# KiCad board Ashwing66_fullrgb.kicad_pcb (continued)
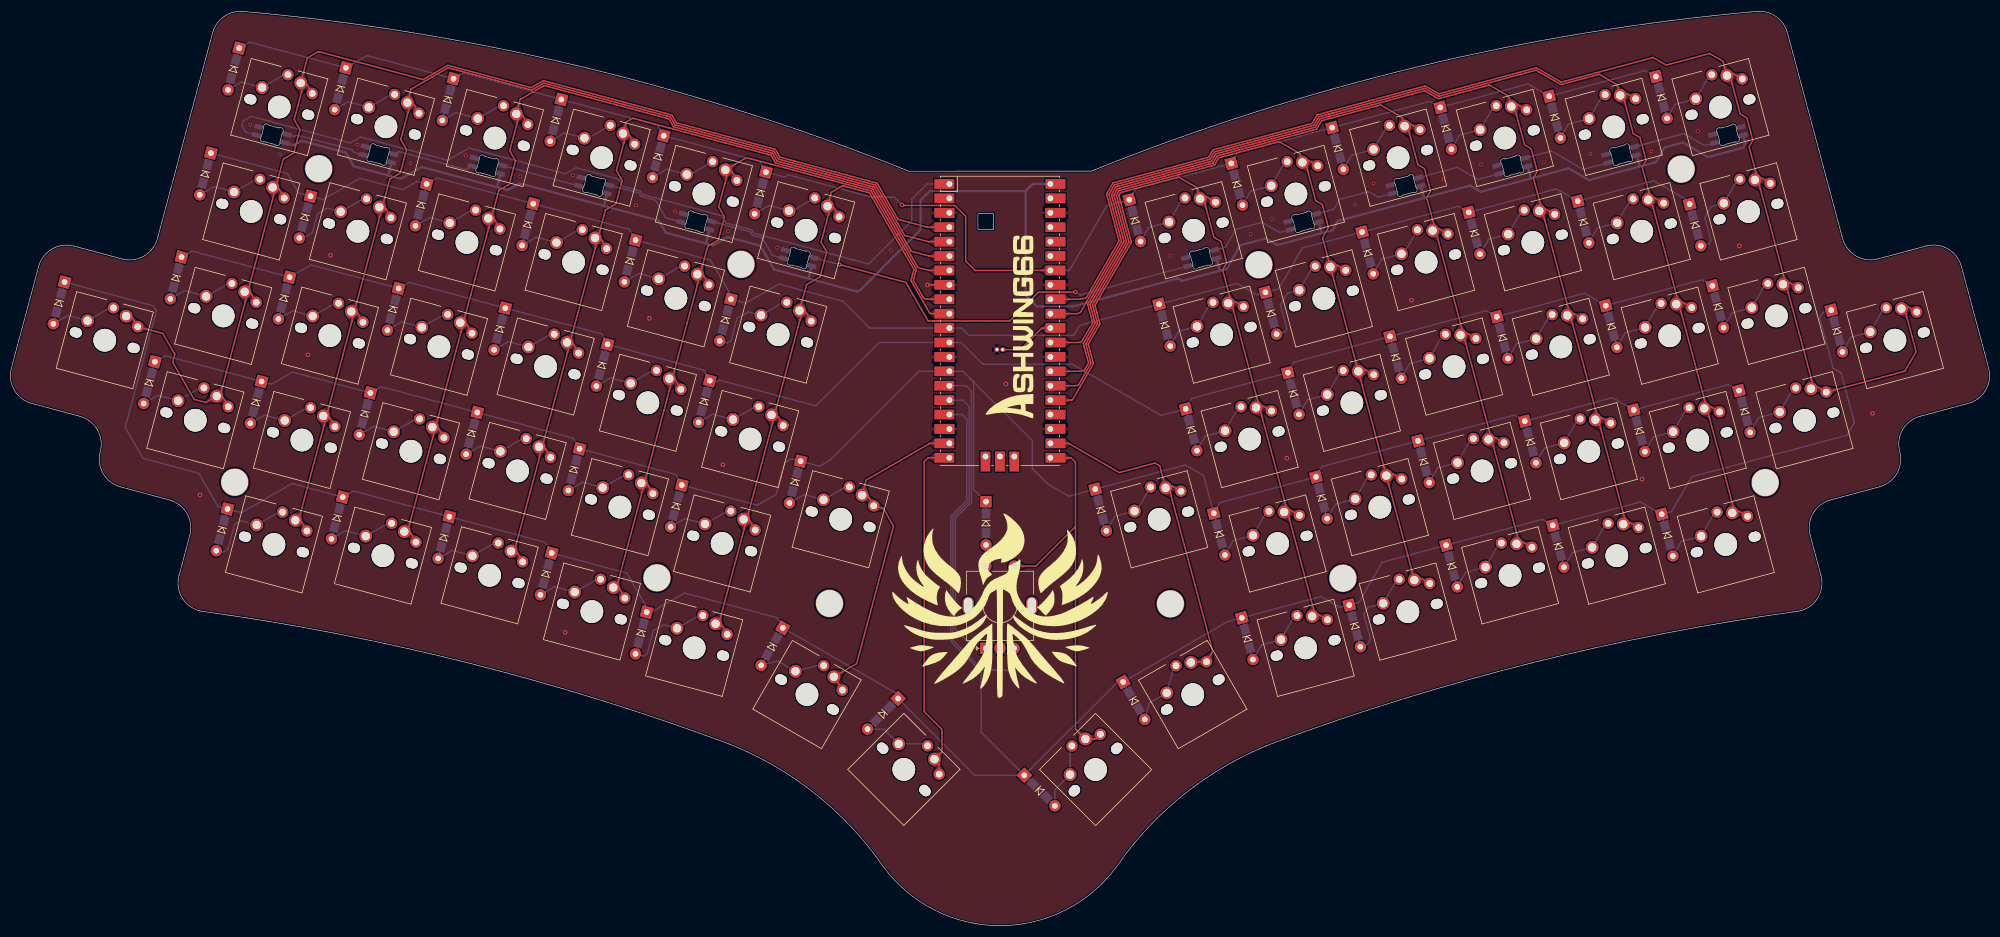
[diagram p0: board, top side]
## Routing (per net, layer and track width the routed paths; a pad name or vN(x,y) marks a point on that pad's centre or on a via; arc(x,y) is an arc through that point)
GND: length 6.1
  Top w0.15: pico.8 165.39,112.95
  Top w0.25: v2(161.52,112.94) 161.53,112.95 pico.8
  Bottom w0.25: v2(174.3,46.63) RotEnc.C
  vias: v1(42.26,141.2) v1(47.47,135.95) v1(61.1,137.69) v1(70.48,134.38) v1(80.24,135.73) v1(89.78,132.09) v1(99.08,132.25) v1(110.2,126.97) v1(117.09,125.88) v1(126.42,122.41) v1(135.05,119.48) v1(155.11,119.06) v1(204.29,118.06) v1(218.44,121.9) v1(222.21,124.59) v1(236.77,127.13) v1(240.12,130.85) v1(252.4,131.52) v1(259.03,134.17) v1(270.11,134.61) v1(278.29,136.05) v1(289.04,136.47) v1(297.23,140.05) v2(33.39,75.92) v2(52.4,100.62) v2(56.4,118.17) v2(97.72,51.72) v2(112.55,107.04) v2(125.5,81.24) v2(175.35,95.49) v2(224.85,82.39) v2(246.8,110.24) v2(287.4,78.72) v2(304.52,119.82) v2(327.97,90.29)
VBUS: length 347.7
  Top w0.25: 183.16,130.72 pico.40
  Bottom w0.25: 179.11,115.5 179.11,115.5 179.11,115.3 ; 187.19,109.14 187.18,109.13 ; 168.29,129.46 162.28,129.46 ; 186.37,109.14 186.37,109.14 181.66,109.14 181.65,109.13 ; 181.38,109.13 181.92,109.13 ; 152.76,115.11 152.76,115.1
  Bottom w0.4: 180.07,130.73 178.81,129.46 ; 180.07,130.73 179.11,129.77 ; 180.07,130.73 pico.40 ; 178.81,129.46 166.62,129.46 ; 178.81,129.46 178.81,111.13 180.8,109.13 181.92,109.13 ; 286.94,133.8 278.03,131.41 274.44,133.49 267.86,131.73 ; 286.94,133.8 289.85,134.58 291.35,137.17 294.58,138.03 299.02,135.47 305.17,137.12 305.6,137.87 305.21,139.32 ; 286.94,133.8 286.96,133.83 286.42,135.83 ; 66.78,132.98 66.75,133.02 67.15,134.51 66.54,132.25 66.52,132.24 ; 152.76,115.11 160.32,122.67 160.32,127.84 161.94,129.46 162.28,129.46 ; 186.37,109.14 187.19,109.14 205.62,114.08 206.36,113.65 213.05,115.45 ; 48.36,137.99 49.92,137.57 51.26,138.35 58.56,136.39 ; 267.86,131.73 258.98,129.35 258.29,129.75 ; 267.86,131.73 267.8,131.76 267.24,133.87 ; 123.15,122.67 122.5,120.26 122.51,120.24 ; 140.64,114.03 134.52,115.67 132.11,119.84 126.34,121.38 123.78,119.91 122.51,120.24 ; 140.64,114.03 140.58,114.13 141.16,116.27 ; 140.64,114.03 149.12,111.76 149.82,112.16 151.44,113.78 151.69,114.03 ; 152.76,115.1 151.69,114.03 ; 151.69,114.03 151.29,113.63 ; 212.43,117.6 213,115.48 213.05,115.45 ; 230.44,124.01 230.83,122.55 230.83,122.55 230.89,122.32 230.7,121.99 ; 58.56,136.39 59.09,136.25 60.47,133.86 66.52,132.24 ; 58.56,136.39 58.87,136.31 ; 213.05,115.45 214.21,115.76 216.61,119.93 221.14,121.14 223.16,119.97 230.7,121.99 ; 248.98,128.28 249,128.3 248.44,130.4 248.83,128.95 ; 248.98,128.28 233.83,124.21 232.88,122.57 230.7,121.99 ; 248.98,128.28 257.08,130.44 258.29,129.75 ; 86.34,132.52 86.03,131.38 ; 86.03,131.38 85.93,131.01 ; 86.03,131.38 85.72,130.21 85.75,130.16 ; 66.52,132.24 68.79,131.63 72.42,133.73 85.75,130.16 ; 122.51,120.24 115.44,122.14 114.21,124.27 104.56,126.86 ; 104.56,126.86 104.55,126.88 105.13,129.06 104.76,127.66 104.77,127.64 ; 104.56,126.86 89.7,130.84 87.65,129.65 85.75,130.16 ; 257.17,130.39 258.29,129.75 ; 230,123.89 230.04,123.76
Col_0: length 224.5
  Top w0.25: 150.73,131.38 135.56,135.45 134.77,136.83 117.32,141.5 116.52,142.88 93.88,148.95 91.74,147.71 77.05,151.65 72.7,149.14 54.39,154.04 54.35,154.02 54.21,154.06 52.32,152.97 51.13,148.54 ; 150.73,131.38 152.66,130.87 154.01,128.54 156.34,124.5 161.52,123.11 pico.4 ; 150.73,131.38 150.83,131.36 ; 53.17,146.66 52.27,148.23 51.13,148.54 ; K48.1 37.48,93.03 K48.1 ; K48.1 34.4,92.22 32.37,92.76 28.59,99.31 28.96,100.71 26.84,104.39 K60#2.1 21.53,107.13 K60#2.1 ; K48.1 37.02,93.73 41.65,111.04 K32.1 ; K16.1 47.33,129.82 K16.1 ; K16.1 46.56,129.49 44.01,119.94 41.9,112.09 K32.1 ; K16.1 46.83,130.49 48.07,135.12 49.9,136.18 51.01,140.31 49.99,142.08 51.53,147.84 51.13,148.54 ; K32.1 42.4,111.42 K32.1
Col_1: length 197.9
  Top w0.25: K17.1 66.12,126.34 K17.1 ; K33.1 61.19,107.94 K33.1 ; 60.67,108.58 62.1,113.92 62.1,113.93 62.1,113.93 65.33,125.97 ; 153.44,128.72 152.4,130.52 151.16,130.86 135.3,135.11 134.5,136.48 117.05,141.16 116.26,142.54 93.96,148.51 91.82,147.28 77.11,151.22 70.56,147.44 69.92,145.06 71.06,144.75 71.96,143.18 ; 153.44,128.72 157.51,121.67 161.8,120.53 161.84,120.57 pico.5 ; 153.44,128.72 153.58,128.49 ; K64.1 51.33,71.14 K64.1 50.87,71.84 55.51,89.16 K49.1 56.26,89.54 K49.1 ; 60.42,107.52 55.78,90.21 ; 65.6,126.98 66.83,131.6 68.67,132.66 69.78,136.79 68.75,138.57 70.3,144.33
Col_2: length 179.9
  Top w0.25: 84.79,124.99 86.02,129.61 87.86,130.67 88.97,134.8 87.94,136.58 89.49,142.34 ; pico.6 161.84,118.03 161.75,118.05 158.66,118.88 153.05,128.6 ; 91.15,141.2 90.25,142.77 89.11,143.07 89.8,145.65 94.02,148.08 115.99,142.19 116.79,140.82 134.24,136.14 135.03,134.76 151.2,130.43 ; 151.2,130.43 152.14,130.18 153.05,128.6 ; 151.2,130.43 151.37,130.39 ; 153.05,128.6 153.15,128.43 ; 79.85,106.59 81.05,111.07 81.05,111.07 81.06,111.07 84.52,123.98 ; K50.1 75.46,87.56 K50.1 74.71,87.19 70.06,69.86 K65.1 70.53,69.16 K65.1 ; K18.1 85.32,124.36 K18.1 ; 74.97,88.22 79.61,105.54 79.23,106.19 K34.1 80.4,105.97 K34.1
Col_3: length 159.4
  Top w0.25: 152.59,128.6 151.87,129.84 134.77,134.42 133.98,135.8 109.61,142.33 108.45,141.66 107.9,139.61 109.04,139.31 109.95,137.74 ; 152.59,128.6 152.72,128.37 ; 152.59,128.6 159.86,116 161.72,115.52 161.97,115.49 pico.7 ; K19.1 104.11,120.91 K19.1 ; K51.1 94.24,84.09 K51.1 93.5,83.71 88.86,66.39 K66.1 89.31,65.69 K66.1 ; 103.58,121.53 104.82,126.15 106.66,127.22 107.76,131.34 106.74,133.12 108.28,138.88 ; K35.1 99.17,102.49 K35.1 ; 98.41,102.08 93.77,84.76 ; 103.31,120.52 98.65,103.13
Col_4: length 143.1
  Top w0.25: 121.59,115.13 122.67,119.2 122.83,119.75 124.66,120.81 125.77,124.94 124.74,126.72 126.29,132.48 ; 152.11,128.63 152.29,128.32 ; 152.11,128.63 159.57,115.7 159.05,113.76 160.89,110.57 161.4,110.43 161.4,110.43 161.57,110.42 pico.9 ; 152.11,128.63 151.61,129.49 129.65,135.38 125.92,133.22 127.06,132.91 127.96,131.35 ; K36.1 117.19,96.1 K36.1 ; K20.1 122.13,114.51 K20.1 ; 121.32,114.12 116.66,96.73 ; 116.41,95.67 111.77,78.36 ; K52.1 112.27,77.71 K52.1 111.52,77.35 106.87,60 K67.1 107.33,59.3 K67.1
Col_5: length 129.1
  Top w0.25: 144.25,126.88 144.1,126.92 143.93,126.82 ; 143.93,126.82 145.07,126.51 145.97,124.94 ; 143.93,126.82 144.31,126.15 142.79,120.48 143.8,118.73 142.63,114.39 140.22,113 K21.1 140.14,108.11 K21.1 ; 143.93,126.82 144.58,129.26 146.59,130.42 151.35,129.15 151.79,128.38 ; pico.10 162.24,107.87 161.95,107.93 158.62,113.7 159.14,115.65 151.79,128.38 ; K37.1 135.2,89.71 K37.1 ; 151.79,128.38 151.86,128.26 ; K68.1 125.34,52.91 K68.1 124.87,53.6 129.52,70.94 K53.1 130.27,71.31 K53.1 ; 139.32,107.72 134.66,90.33 ; 134.42,89.27 129.78,71.96
  Bottom w0.25: K21.1 141.08,106.53
Col_6: length 60.3
  Top w0.25: 158.64,83.1 161.9,84.99 161.92,85.01 pico.19 ; 158.64,83.1 158.87,83.24 ; 158.64,83.1 155.99,81.58 150.72,78.53 K60.1 151.15,75.57 K60.1 153.74,73.55 155.55,70.43 149.05,46.18 K69#2.1 145.21,43.82 K69#2.1
Col_7: length 62.2
  Top w0.25: 163.61,30.2 163.72,30.3 ; 163.61,30.2 K69.1 163.59,28.5 K69.1 ; 163.61,30.2 164.07,30.66 164.07,34.62 160.94,37.74 160.94,81.76 161.65,82.47 pico.20
Col_8: length 77
  Top w0.25: K70.1 191.15,32.9 K70.1 ; 187.6,70.34 180.64,63.38 RotEnc.S1 ; 187.6,70.34 187.6,81.68 186.81,82.47 pico.21 ; 187.6,70.34 187.6,34.64 K70.1 ; K70.1 189.34,32.98 ; K70.1 188.28,33.96 ; pico.21 186.24,82.44 186.35,82.4 ; pico.21 184.47,82.82
Col_9: length 63.2
  Top w0.25: K44.1 204.16,76.78 208.29,61.36 211.77,48.39 K70#2.1 208.04,46.51 K70#2.1 ; K44.1 202.44,81.05 201.59,81.54 195.31,79.86 186.62,84.88 186.39,85.01 pico.22 ; K44.1 204.62,77.48 K44.1
Col_10: length 154.6
  Top w0.25: K22.1 215.63,110.03 K22.1 ; K71.1 230.42,54.83 K71.1 229.68,55.22 225.05,72.5 K54.1 ; K22.1 214.89,110.43 213.51,115.58 214.24,116.84 213.23,120.61 211.98,121.33 210.27,127.71 209.55,128.12 ; K22.1 215.19,109.32 219.82,92.02 K38.1 ; K38.1 220.56,91.63 K38.1 ; K38.1 220.12,90.92 224.75,73.62 K54.1 ; pico.25 186.89,92.63 186.89,92.63 187.08,92.68 190.76,99.06 190.31,100.74 189.84,102.48 191.91,106.07 191.03,109.34 194.69,115.68 197.45,120.45 195.24,128.71 195.53,129.21 205.74,131.95 209.04,130.05 209.55,128.12 ; 209.55,128.12 210.69,128.43 212.26,127.52 ; K54.1 225.48,73.21 K54.1
Col_11: length 171.4
  Top w0.25: K55.1 242.34,79.33 K39.1 ; K55.1 243.49,79.63 K55.1 ; K55.1 247.28,60.92 K72.1 248.42,61.21 K72.1 ; 197.01,120.49 197.02,120.51 194.81,128.77 195.26,129.56 211.58,133.93 ; 197.01,120.49 190.6,109.4 191.48,106.12 189.41,102.54 190.33,99.13 188.08,95.24 187.32,95.17 ; 197.01,120.49 197.01,120.5 ; 227.56,134.53 228.2,134.16 229.91,127.79 231.07,127.12 232.16,123.06 231.11,121.25 K23.1 ; 227.56,134.53 227.15,136.06 223.45,138.2 212.85,135.36 212.1,134.07 211.58,133.93 ; 227.56,134.53 228.7,134.83 230.27,133.93 ; K39.1 238.56,98.02 K39.1 ; K39.1 K23.1 ; 211.58,133.93 212.08,134.07 ; 187.32,95.17 pico.26 ; K23.1 233.63,116.42 K23.1
Col_12: length 190.5
  Top w0.25: K24.1 251.11,122.16 255.78,104.73 K40.1 ; K24.1 250.85,123.13 249.46,128.32 250.14,129.48 249.07,133.45 247.91,134.12 246.18,140.56 245.56,140.91 ; K24.1 251.64,122.82 K24.1 ; K40.1 256.05,103.74 260.71,86.33 K56.1 ; K40.1 256.56,104.4 K40.1 ; 248.27,140.31 246.7,141.22 245.56,140.91 ; K56.1 261.5,86.02 K56.1 ; K56.1 260.98,85.35 265.58,68.19 265.21,67.56 K73.1 266.42,67.6 K73.1 ; 190.17,109.46 196.58,120.55 194.37,128.81 195,129.9 211.84,134.41 212.58,135.7 230.09,140.39 230.95,141.89 241.32,144.66 245.15,142.45 245.56,140.91 ; 190.17,109.46 191.05,106.18 188.98,102.6 189.9,99.18 189.14,97.87 188.37,97.72 188.35,97.71 pico.27 ; 190.17,109.46 190.21,109.31
Col_13: length 205.6
  Top w0.25: 229.83,140.74 230.69,142.23 232.49,142.71 249.08,147.16 251.5,145.76 260.48,148.17 263.87,146.21 264.36,144.39 ; 229.83,140.74 212.32,136.04 211.58,134.76 194.73,130.25 193.94,128.87 193.98,128.71 196.15,120.61 196,120.35 189.75,109.51 190.62,106.23 188.67,102.94 188.19,102.79 188.16,102.79 pico.29 ; 229.83,140.74 230.13,141.26 ; K41.1 275.36,107.88 K41.1 ; K41.1 274.84,107.21 279.51,89.8 K57.1 ; K41.1 274.58,108.19 269.9,125.63 K25.1 ; 264.36,144.39 264.97,144.03 266.69,137.62 267.86,136.95 268.92,132.96 268.25,131.8 269.65,126.6 K25.1 ; 264.36,144.39 265.5,144.69 267.07,143.79 ; K57.1 280.29,89.49 K57.1 ; K57.1 279.77,88.83 284.44,71.39 K74.1 285.22,71.07 K74.1 ; K25.1 270.43,126.29 K25.1
Col_14: length 221.4
  Top w0.25: K26.1 289.62,128.26 K26.1 ; K26.1 288.8,128.52 287.41,133.7 288.1,134.89 287.02,138.92 285.83,139.61 284.11,146.02 283.55,146.35 ; K26.1 289.04,127.64 293.73,110.11 K42.1 ; K42.1 294.55,109.85 K42.1 ; K75.1 304.41,73.06 K75.1 303.59,73.31 298.9,90.83 K58.1 ; 286.25,145.75 284.69,146.65 283.55,146.35 ; K42.1 293.97,109.22 298.66,91.71 K58.1 ; 283.55,146.35 283.05,148.2 279.83,150.06 273.09,148.25 268.7,150.79 251.55,146.19 249.14,147.59 231.94,142.98 ; 194.14,126.49 193.5,128.91 194.46,130.59 211.31,135.1 212.05,136.39 229.56,141.08 230.43,142.57 233.11,143.29 ; K58.1 299.48,91.46 K58.1 ; 194.14,126.5 195.71,120.64 188.46,108.09 187.99,107.89 187.95,107.87 pico.31
Col_15: length 246.2
  Top w0.25: K44#2.1 334.2,109.07 K44#2.1 333.73,108.38 335.66,101.16 333.7,97.76 333.52,97.71 333.52,97.7 K59.1 318.27,94.94 K59.1 317.51,95.29 312.93,112.35 312.28,112.72 K43.1 ; K43.1 313.34,113.34 K43.1 ; K43.1 312.56,113.66 307.89,131.08 K27.1 ; K27.1 308.41,131.74 K27.1 ; K27.1 307.64,132.08 306.24,137.28 306.9,138.43 305.84,142.39 304.67,143.06 302.95,149.49 302.34,149.84 ; 305.05,149.24 303.48,150.14 302.34,149.84 ; 302.34,149.84 301.67,152.35 299.28,153.73 291.65,151.68 289.33,153.02 273.15,148.68 268.76,151.22 251.61,146.62 249.19,148.02 231.81,143.36 230.16,142.92 229.3,141.42 211.79,136.73 211.05,135.44 194.2,130.93 193.07,128.97 193.2,128.47 195.28,120.7 189.51,110.7 188.47,110.42 188.46,110.41 pico.32
LED1: length 145
  Bottom w0.25: 147.28,117.67 130.91,122.06 130.56,122.65 126.01,123.87 125.28,125.14 111.3,128.89 110.97,129.47 107.98,130.27 107.23,131.56 99.63,133.59 97.76,132.52 80.79,137.06 77.02,134.89 61.64,139.01 59.83,137.97 42.37,142.65 41.02,141.87 40.79,141 41.46,139.84 K0.4 ; 147.28,117.67 148.54,117.33 ; 147.28,117.67 151.16,116.63 151.19,116.64 158.77,124.22 158.77,128.04 161.45,130.73 pico.1
LED2: length 14.1
  Bottom w0.25: K1.4 60.48,136.3 60.22,136.74 50.48,139.35 50.04,139.09 48.75,139.44
LED3: length 14.5
  Bottom w0.25: K2.4 80.27,133.26 68.38,136.45 67.54,135.96
LED4: length 13.9
  Bottom w0.25: 86.73,133.97 100.08,130.39 K3.4
LED5: length 15.1
  Bottom w0.25: K4.4 115.43,124.74 113.64,127.85 111.04,128.54 110.7,129.13 105.52,130.51
LED6: length 15.1
  Bottom w0.25: 123.54,124.12 130.3,122.31 130.65,121.71 132.44,121.23 134.24,118.12 K5.4
LED7: length 76
  Top w0.25: v2(146,116.52) 157.72,113.38 161.61,106.64 161.66,106.59 163.56,106.59 ; 187.51,111.67 187.52,111.67 v2(187.59,111.68) 187.5,111.67 184.54,111.67 181.1,111.67 176.02,106.59 163.56,106.59 ; 163.56,106.59 162.46,106.59
  Bottom w0.25: 141.55,117.72 146,116.53 v2(146,116.52) ; v2(146,116.52) 145.97,116.5 ; v2(146,116.52) 144.48,116.93 ; K6.4 188.46,111.18 v2(187.59,111.68)
LED8: length 16
  Bottom w0.25: K7.4 223.58,122.17 220.46,123.97 215.83,122.73 214.01,119.58 212.04,119.05
LED9: length 15
  Bottom w0.25: 243.4,129.03 K8.4 240.95,128.39 239.23,129.38 234.12,128.01 233.12,126.28 230.05,125.46 230.06,125.45
LED10: length 15.1
  Bottom w0.25: 248.05,131.84 254.82,133.66 258.51,131.53 K9.4
LED11: length 15.7
  Bottom w0.25: K10.4 277.02,133.31 271.41,136.54 271.41,136.54 266.85,135.32
LED12: length 20.5
  Bottom w0.25: 291.26,138.67 286.03,137.27 294.76,139.61 298.42,137.5 K11.4
NET-(DEXT-A): length 13.9
  Bottom w0.25: K69.2 161.22,32.03 K69.2 153.85,34.65 D69#2.2 D69#2.2
ROT_BUT: length 11.8
  Bottom w0.15: D69#3.2 D69#3.2 171.83,63.41 RotEnc.ROTIN 171.87,63.45
  Bottom w0.25: RotEnc.ROTIN 171.83,63.41 D69#3.2 D69#3.2
ROT_IN: length 54.1
  Bottom w0.25: pico.15 168.31,95.17 169.27,94.21 169.27,74.64 166.44,71.81 166.44,52.45 166.43,52.44 166.43,52.3 169.85,48.88 RotEnc.A
ROT_OUT: length 62.9
  Bottom w0.25: pico.16 167.79,92.63 168.87,91.55 168.87,74.81 166.03,71.97 166.03,50.26 171.24,45.05 176.32,45.05 176.8,45.54 RotEnc.B
Row_0: length 308.7
  Top w0.25: pico.34 169.96,115.49 169.94,115.47 168.26,117.14 168.26,125.03 166.35,126.94 157.12,126.94 v2(157.02,127.04)
  Bottom w0.25: D8.1 D8.1 ; D8.1 216.12,136.21 D7.1 ; D8.1 250,145.29 D9.1 ; D10.1 287.99,150.73 D11.1 D11.1 ; D10.1 271.58,144.15 ; D10.1 267.29,148.35 D9.1 ; 151.72,128.39 137.02,132.33 136.36,131.95 D5.1 ; 151.72,128.39 155.67,128.39 v2(157.02,127.04) ; 151.72,128.39 151.56,128.43 151.55,128.42 151.55,128.43 ; 41,154.49 D0.1 ; D0.1 42.14,155.74 D1.1 ; D0.1 D0.1 ; D3.1 79.74,150.26 D2.1 ; D3.1 113.99,141.08 D4.1 ; D3.1 D3.1 ; D7.1 198.17,129.83 D6.1 ; D7.1 D7.1 ; D6.1 193.12,126.9 186.67,115.73 186.43,115.49 pico.34 186.28,115.49 ; D6.1 D6.1 ; D4.1 131.99,134.69 D5.1 ; D4.1 D4.1 ; D2.1 62.84,153.36 D1.1 ; D2.1 D2.1 ; D9.1 D9.1 ; D5.1 D5.1 ; D1.1 D1.1
Row_1: length 312.7
  Bottom w0.25: D26.1 289.44,131.29 295.62,127.72 D27.1 D27.1 ; D26.1 272.31,129.87 D25.1 ; D26.1 D26.1 ; D19.1 75.16,131.79 D18.1 ; D19.1 D19.1 ; D19.1 109.03,122.72 D20.1 ; D21.1 D21.1 ; D21.1 129.53,109.73 135.34,113.08 140.33,111.74 140.34,111.74 140.75,111.63 146.62,110.06 146.64,110.03 151.34,105.33 pico.11 167.55,105.33 168.84,104.04 187.25,104.04 187.34,104.13 188.29,105.78 D22.1 ; D21.1 127.03,110.88 123.33,117.29 D20.1 ; D18.1 D18.1 ; D18.1 71.59,131.18 69.08,129.73 61.58,131.74 55.06,127.97 D17.1 ; D20.1 D20.1 ; D23.1 223.4,112.25 227.55,119.44 D24.1 ; D23.1 D23.1 ; D23.1 219.51,111.21 216.03,113.21 D22.1 ; D17.1 50.8,129.12 48.8,132.57 D16.1 D16.1 ; D17.1 D17.1 ; D25.1 D25.1 ; D25.1 255.02,126.8 D24.1 ; D22.1 D22.1 ; D22.1 202.14,109.25 ; D24.1 D24.1
Row_2: length 317.2
  Bottom w0.25: D38.1 D38.1 ; D38.1 202.67,89.93 187.17,98.88 186.69,98.97 171.29,98.97 167.46,102.79 pico.12 153,102.79 151.14,100.93 141.85,91.64 141.81,91.62 136.62,93.01 ; D38.1 208.08,92.93 D39.1 ; D41.1 D41.1 ; D41.1 259.95,108.4 D40.1 ; D41.1 277.24,111.47 D42.1 ; 136.62,93.01 136.94,92.93 ; 136.62,93.01 133.7,93.79 124.86,96.16 124.2,95.79 D37.1 ; D40.1 226.07,99.32 D39.1 ; D40.1 D40.1 ; D35.1 D35.1 ; D35.1 104.11,104.31 D36.1 ; D35.1 70.23,113.39 D34.1 ; D33.1 52.93,116.46 D34.1 ; D33.1 D33.1 ; D33.1 31.99,118.9 D32#3.1 D32#3.1 ; D36.1 122.11,97.92 D37.1 ; D36.1 D36.1 ; D34.1 D34.1 ; D37.1 D37.1 ; D42.1 297.94,113.84 D43.1 D43.1 ; D42.1 D42.1 ; D39.1 D39.1
Row_3: length 385.3
  Bottom w0.15: 169.67,76.89 D69#3.1 D69#3.1
  Bottom w0.25: D32#2.1 137.55,82.3 136.36,81.61 134.87,76.02 132.51,74.66 ; D32#2.1 142.51,80.97 144.38,82.05 158.62,96.29 160.04,97.71 pico.14 167.79,97.71 168.95,96.55 168.95,96.54 ; D32#2.1 D32#2.1 ; D49.1 D49.1 ; D49.1 45.99,95.44 49.69,97.58 52.6,96.8 ; D49.1 27.29,100.45 D48.1 D48.1 ; 168.95,96.54 180,85.49 180,80.54 182.74,77.8 186.4,75.69 D44.1 ; 168.95,96.54 169.71,95.78 ; 168.95,96.54 169.72,95.77 ; 168.95,96.54 169.67,95.82 169.67,76.89 D69#3.1 D69#3.1 ; D50.1 52.6,96.8 ; D50.1 65.3,94.99 D51.1 ; D50.1 D50.1 ; 52.6,96.8 51.77,97.03 ; D52.1 117.18,79.52 D53.1 ; D52.1 99.18,85.91 D51.1 ; D52.1 D52.1 ; D44.1 206.95,81.19 210.16,79.34 D54.1 ; D44.1 191.62,76.39 D44.1 ; D55.1 213.02,74.56 D54.1 ; D55.1 D55.1 ; D55.1 231,80.92 D56.1 ; 132.51,74.66 131.53,74.1 D53.1 ; 132.51,74.66 132.19,74.48 ; D58.1 302.62,95.38 D59.1 D59.1 ; D58.1 D58.1 ; D58.1 282.17,93.06 D57.1 ; D56.1 D56.1 ; D56.1 264.88,90 D57.1 ; D54.1 D54.1 ; D57.1 D57.1 ; D53.1 D53.1 ; D51.1 D51.1
Row_4: length 524.3
  Bottom w0.25: D73.1 269.83,71.61 D74.1 ; D73.1 D73.1 ; D73.1 241.62,64.06 237.53,56.97 D72.1 ; D74.1 D74.1 ; D74.1 287.08,74.69 D75.1 ; pico.17 167.65,90.09 168.47,89.26 168.47,89 168.47,74.97 165.63,72.13 165.63,50.09 170.99,44.73 170.99,36.22 170.99,34.1 D70#2.1 ; D72.1 234.18,56.08 230.85,58 D71.1 ; D72.1 D72.1 ; D69.1 135.03,54.27 118.74,58.63 112.64,55.11 D68.1 ; D69.1 D69.1 ; D69.1 156.12,40.9 D69#2.1 ; D70#2.1 D70#2.1 ; D70#2.1 169.89,26.5 D69#2.1 ; D70#2.1 195.05,42.96 D70.1 ; D64.1 40.69,72.79 49.6,77.93 D65.1 ; D64.1 D64.1 ; D64.1 36.56,73.89 33.19,79.73 23.37,82.36 20.22,87.82 25.72,108.34 25.2,109.24 D32.1 D32.1 ; D68.1 112.23,55.83 108.59,62.13 D67.1 ; D68.1 D68.1 ; D70.1 214.41,53.6 214.42,53.6 D71.1 ; D70.1 D70.1 ; 324.76,88.81 322.44,97.43 321.05,98.24 318.67,107.1 319.25,108.1 D44#2.1 D44#2.1 ; 324.76,88.81 324.79,88.68 323.51,86.46 296.12,79.12 292.57,72.97 D75.1 ; 324.76,88.81 324.5,89.75 ; D71.1 D71.1 ; D65.1 D65.1 ; D65.1 60.39,76.62 D66.1 ; D75.1 D75.1 ; D69#2.1 D69#2.1 ; D67.1 94.25,67.55 D66.1 ; D67.1 D67.1 ; D66.1 D66.1
RUN: length 10
  Top w0.25: RESET.2 177.9,101.54 181.69,105.33 pico.30
  Bottom w0.25: 174.8,101.52 RESET.2
Net-(D0-A): length 13.8
  Bottom w0.25: D0.2 D0.2 40.73,148.7 44.34,147.73 48.45,150.1 48.89,149.99
Net-(D1-A): length 13.8
  Bottom w0.25: D1.2 D1.2 59.52,145.21 63.13,144.25 67.24,146.62 67.68,146.51
Net-(D2-A): length 14.1
  Bottom w0.25: 86.87,144.52 86.43,144.64 82.32,142.26 78.45,143.3 D2.2 D2.2
Net-(D3-A): length 13.9
  Bottom w0.25: D3.2 D3.2 97.63,139.74 101.11,138.8 101.55,138.69 105.66,141.06
Net-(D4-A): length 13.9
  Bottom w0.25: D4.2 D4.2 115.64,133.34 119.13,132.41 119.56,132.29 123.68,134.67
Net-(D5-A): length 13.9
  Bottom w0.25: D5.2 D5.2 133.65,126.94 137.14,126.01 137.57,125.89 141.68,128.27
Net-(D6-A): length 13.9
  Bottom w0.25: 206.89,128.26 206.45,128.14 204.08,124.03 200.48,123.06 D6.2 D6.2
Net-(D7-A): length 13.9
  Bottom w0.25: D7.2 D7.2 218.44,129.45 222.08,130.43 224.46,134.54 224.9,134.66
Net-(D8-A): length 14.2
  Bottom w0.25: 242.9,141.05 242.46,140.93 240.09,136.82 236.2,135.77 D8.2 D8.2
Net-(D9-A): length 13.9
  Bottom w0.25: D9.2 D9.2 255.24,139.31 258.89,140.29 261.26,144.4 261.7,144.52
Net-(D10-A): length 13.9
  Bottom w0.25: 280.88,146.48 280.45,146.36 278.07,142.25 274.42,141.27 D10.2 D10.2
Net-(D11-A): length 13.9
  Bottom w0.25: K11.2 299.24,149.86 K11.2 293.22,144.77 D11.2 D11.2
Net-(D16-A): length 13.9
  Bottom w0.25: D16.2 D16.2 35.86,130.26 K16.2 43.51,131.69 K16.2
Net-(D17-A): length 17.8
  Bottom w0.25: D17.2 D17.2 51.4,121.07 53.18,122.09 54.09,125.48 55.81,126.47 K17.2 62.3,128.21 K17.2
Net-(D18-A): length 13.9
  Bottom w0.25: D18.2 D18.2 73.85,124.81 K18.2 81.5,126.24 K18.2
Net-(D19-A): length 13.9
  Bottom w0.25: D19.2 D19.2 92.65,121.35 K19.2 100.3,122.78 K19.2
Net-(D20-A): length 13.9
  Bottom w0.25: K20.2 118.31,116.39 K20.2 110.69,114.95 D20.2 D20.2
Net-(D21-A): length 20.7
  Bottom w0.25: D21.2 D21.2 ; D21.2 126.27,102.71 126.92,103.08 127.97,107.02 130,108.2 K21.2 ; D21.2 126.24,102.72 ; K21.2 136.32,109.98 133.28,108.23 ; 133.28,108.23 K21.2 ; 133.28,108.23 K21.2
Net-(D22-A): length 13.6
  Bottom w0.25: D22.2 D22.2 205.77,104.76 K22.2 211.38,109.74 K22.2
Net-(D23-A): length 18.4
  Bottom w0.25: D23.2 D23.2 224.52,104.66 224.84,105.23 223.72,109.43 224.88,111.44 K23.2 229.39,116.13 K23.2
Net-(D24-A): length 14.1
  Bottom w0.25: K24.2 245.45,118.53 K24.2 241.54,117.48 D24.2 ; D24.2 239.97,114.77 ; D24.2 D24.2
Net-(D25-A): length 13.9
  Bottom w0.25: D25.2 D25.2 260.34,120.96 K25.2 266.19,126 K25.2
Net-(D26-A): length 13.9
  Bottom w0.25: K26.2 285.38,127.98 K26.2 279.52,122.93 D26.2 D26.2
Net-(D27-A): length 18.2
  Bottom w0.25: D27.2 D27.2 299.17,120.21 299.52,120.82 298.45,124.83 299.55,126.74 K27.2 304.17,131.46 K27.2
Net-(D32-A): length 14.1
  Bottom w0.25: K32.2 38.58,113.29 K32.2 30.68,111.93 D32#3.2 D32#3.2
Net-(D33-A): length 13.9
  Bottom w0.25: D33.2 D33.2 49.72,108.38 K33.2 57.37,109.81 K33.2
Net-(D34-A): length 13.9
  Bottom w0.25: K34.2 76.58,107.85 K34.2 68.93,106.42 D34.2 D34.2
Net-(D35-A): length 13.9
  Bottom w0.25: K35.2 95.36,104.37 K35.2 87.7,102.94 D35.2 D35.2
Net-(D36-A): length 13.9
  Bottom w0.25: D36.2 D36.2 105.72,96.55 K36.2 113.37,97.97 K36.2
Net-(D37-A): length 13.9
  Bottom w0.25: K37.2 131.39,91.58 K37.2 123.74,90.15 D37.2 D37.2
Net-(D38-A): length 13.9
  Bottom w0.25: K38.2 216.32,91.34 K38.2 210.47,86.29 D38.2 D38.2
Net-(D39-A): length 13.9
  Bottom w0.25: K39.2 234.32,97.73 K39.2 228.46,92.68 D39.2 D39.2
Net-(D40-A): length 13.9
  Bottom w0.25: K40.2 252.32,104.12 K40.2 246.46,99.07 D40.2 D40.2
Net-(D41-A): length 13.9
  Bottom w0.25: D41.2 D41.2 265.26,102.54 K41.2 271.12,107.59 K41.2
Net-(D42-A): length 13.9
  Bottom w0.25: K42.2 290.31,109.56 K42.2 284.44,104.51 D42.2 D42.2
Net-(D43-A): length 13.9
  Bottom w0.25: K43.2 309.1,113.06 K43.2 303.24,108.01 D43.2 D43.2
Net-(D44-A): length 27.9
  Bottom w0.25: D44.2 192.5,70.13 D44.2 194.52,72.15 K44.2 198.43,73.19 K44.2 ; D44#2.2 D44#2.2 324.2,103.76 K44#2.2 329.96,108.78 K44#2.2
Net-(D48-A): length 13.9
  Bottom w0.25: K48.2 33.66,94.9 K48.2 25.98,93.48 D48.2 D48.2
Net-(D49-A): length 13.9
  Bottom w0.25: K49.2 52.44,91.41 K49.2 44.76,89.99 D49.2 D49.2
Net-(D50-A): length 13.9
  Bottom w0.25: D50.2 D50.2 63.98,88.01 K50.2 71.64,89.43 K50.2
Net-(D51-A): length 13.9
  Bottom w0.25: D51.2 D51.2 82.77,84.54 K51.2 90.43,85.96 K51.2
Net-(D52-A): length 13.9
  Bottom w0.25: K52.2 108.45,79.58 K52.2 100.8,78.15 D52.2 D52.2
Net-(D53-A): length 13.9
  Bottom w0.25: D53.2 D53.2 118.81,71.75 K53.2 126.46,73.18 K53.2
Net-(D54-A): length 13.9
  Bottom w0.25: D54.2 D54.2 215.39,67.88 K54.2 221.24,72.92 K54.2
Net-(D55-A): length 13.9
  Bottom w0.25: K55.2 239.25,79.34 K55.2 233.4,74.3 D55.2 D55.2
Net-(D56-A): length 13.9
  Bottom w0.25: K56.2 257.26,85.73 K56.2 251.4,80.68 D56.2 D56.2
Net-(D57-A): length 13.9
  Bottom w0.25: K57.2 276.05,89.2 K57.2 270.2,84.15 D57.2 D57.2
Net-(D58-A): length 13.9
  Bottom w0.25: D58.2 D58.2 289.38,86.13 K58.2 295.24,91.17 K58.2
Net-(D59-A): length 14.6
  Bottom w0.25: D59.2 D59.2 307.93,89.54 K59.2 314.03,94.66 ; 314.03,94.66 K59.2 314.03,94.66
Net-(D60-A): length 27.7
  Bottom w0.25: K60#2.2 17.71,109.01 K60#2.2 10.13,107.56 D32.2 D32.2 ; K60.2 147.33,77.45 K60.2 139.79,75.99 D32#2.2 D32#2.2
Net-(D61-A): length 13.9
  Bottom w0.25: D70#2.2 D70#2.2 183.98,23.95 K70.2 186.65,31.37 K70.2
Net-(D64-A): length 18.3
  Bottom w0.25: K64.2 47.51,73.01 K64.2 40.62,71.38 39.49,70.73 38.31,66.3 37.4,65.78 D64.2 D64.2
Net-(D65-A): length 13.9
  Bottom w0.25: D65.2 D65.2 59.03,69.61 K65.2 66.71,71.03 K65.2
Net-(D66-A): length 13.8
  Bottom w0.25: K66.2 85.5,67.56 K66.2 77.81,66.14 D66.2 D66.2
Net-(D67-A): length 13.9
  Bottom w0.25: D67.2 D67.2 95.83,59.75 K67.2 103.51,61.17 K67.2
Net-(D68-A): length 18.3
  Bottom w0.25: D68.2 D68.2 111.56,47.51 112.16,47.86 112.15,47.88 113.25,52 115.05,53.04 K68.2 121.53,54.78 K68.2
Net-(D69-A): length 14.7
  Bottom w0.25: D69.2 135.12,46.66 K69#2.2 142.86,46.07 K69#2.2 ; D69.2 132.92,46.28 ; D69.2 D69.2
Net-(D70-A): length 13.9
  Bottom w0.25: K70#2.2 204.92,45.61 K70#2.2 200.56,39.21 D70.2 D70.2
Net-(D71-A): length 13.9
  Bottom w0.25: K71.2 226.18,54.54 K71.2 220.37,49.5 D71.2 D71.2
Net-(D72-A): length 18.5
  Bottom w0.25: D72.2 D72.2 238.95,49.47 239.56,50.51 238.37,54.92 239.03,56.07 K72.2 244.18,60.93 K72.2
Net-(D73-A): length 13.9
  Bottom w0.25: D73.2 D73.2 256.31,62.26 K73.2 262.18,67.32 K73.2
Net-(D74-A): length 13.9
  Bottom w0.25: D74.2 D74.2 275.1,65.73 K74.2 280.98,70.79 K74.2
Net-(D75-A): length 13.9
  Bottom w0.25: K75.2 300.17,72.77 K75.2 294.31,67.72 D75.2 D75.2

## Copper pours and planes (outline as drawn; the poured copper is in the pictures)
GND on Top, Bottom: 329.18,77.34 332.27,79.7 332.77,83.56 333.28,87.41 336.37,89.78 344.85,92.05 347.93,94.42 348.44,98.28 343.63,116.19 341.27,119.28 337.41,119.79 328.93,117.52 325.08,118.02 322.71,121.11 313,157.37 311.01,160.22 307.67,161.15 247.98,151.4 190.38,132.98 158.23,132.97 100.63,151.39 40.94,161.14 37.6,160.21 35.62,157.36 25.9,121.1 23.53,118.01 19.68,117.5 11.2,119.77 7.34,119.27 4.98,116.18 0.17,98.26 0.68,94.41 3.77,92.04 12.25,89.77 15.33,87.4 16.34,79.69 19.43,77.32 28.02,75.02 31.1,72.66 31.61,68.8 29.7,61.69 30.33,57.66 33.72,55.41 80.44,46.35 125.91,32.27 141.51,23.44 153.78,10.36 174.31,-0.01 194.82,10.37 207.1,23.45 222.7,32.29 268.17,46.36 314.89,55.42 318.29,57.67 318.91,61.7 317,68.81 317.51,72.67 320.6,75.04

Small or netless copper shapes (teardrops, artwork), in the pictures only: 293 on Top, 725 on Bottom

## Text on the board
B.Silkscreen: BOOT | RUN GND | 01  Pi Pico Controller / 66  1N4148 / 1N4148W Diodes / 66  Choc V1 / MX Switches / 66  1U Keycaps / 12  SK6812 MINI-E LED's / 01  EC11 Rotary Encoder | Model: Ashwing66 - (Choc V1/MX) / Designed by: James Gzowski (github.com/gzowski)
